# Allegro board buddy_lay_rev1.brd (continued)
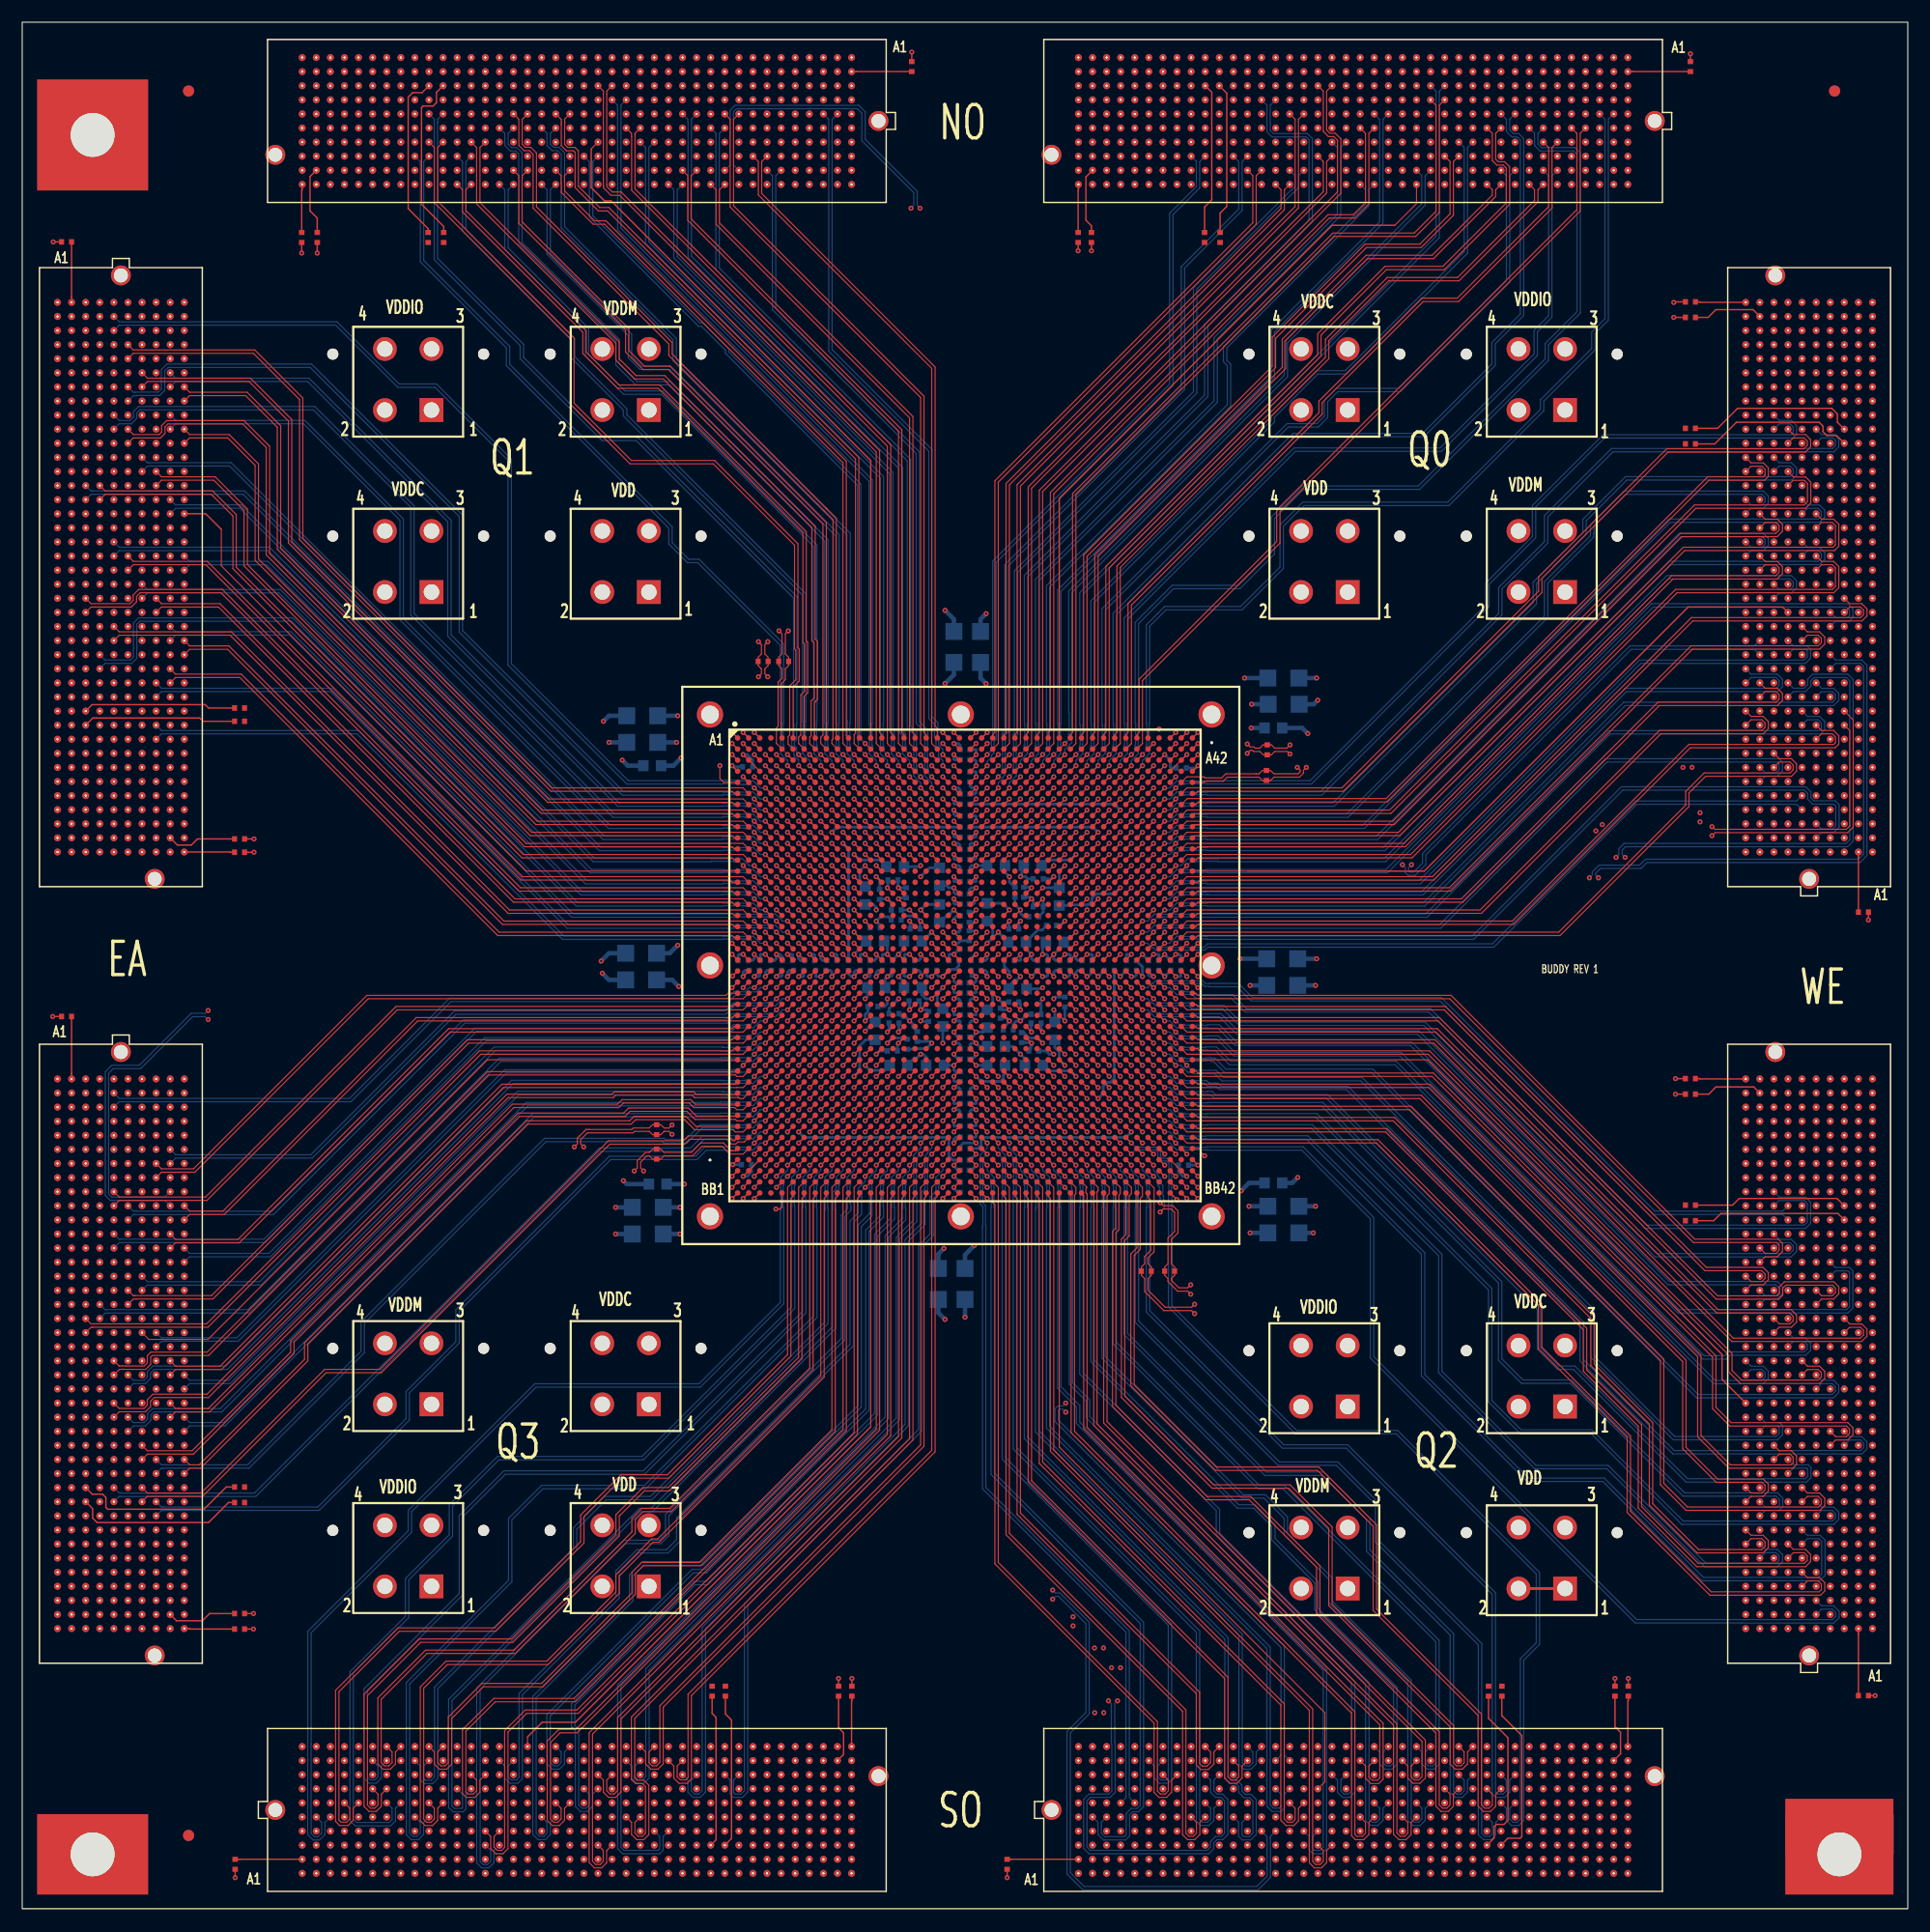
[diagram p0: board, top side]
## Routing (per net, layer and track width the routed paths; a pad name or vN(x,y) marks a point on that pad's centre or on a via; arc(x,y) is an arc through that point) (continued)
; J7.E40 7.79,25.24 ; J7.E40 8.74,25.24 ; 41.75,3.98 J6.B14 ; J6.B14 41.28,4.46 ; J6.B14 41.75,4.93 ; J6.B14 42.23,4.46 ; J4.B11 165.54,38.42 ; J4.B11 165.07,37.94 ; J4.B11 165.54,37.47 ; J4.B11 166.02,37.94 ; J2.K12 130.79,155.86 ; J2.K12 130.31,155.38 ; J2.K12 131.26,155.38 ; J2.K12 130.79,154.91 ; 157.93,69.22 J4.H36 ; J4.H36 157.93,70.17 ; J4.H36 158.4,69.69 ; J4.H36 157.45,69.69 ; J8.H21 12.55,119.36 ; J8.H21 12.07,118.88 ; J8.H21 12.07,119.83 ; J8.H21 11.6,119.36 ; 159.99,73.5 J4.F39 ; J4.F39 160.94,73.5 ; J4.F39 160.47,73.03 ; J4.F39 160.47,73.98 ; J1.C1 75.25,164.28 ; J1.C1 74.77,163.8 ; J1.C1 74.77,164.75 ; J1.C1 74.3,164.28 ; 166.81,24.77 J4.A1 ; J4.A1 166.34,25.24 ; J4.A1 166.81,25.72 ; J4.A1 167.29,25.24 ; J4.D6 163.48,31.59 ; J4.D6 162.53,31.59 ; J4.D6 163,31.12 ; J4.D6 163,32.07 ; 110.47,6.52 J5.D13 ; J5.D13 110.94,7 ; J5.D13 109.99,7 ; J5.D13 110.47,7.47 ; 7.79,35.4 J7.E32 ; J7.E32 8.27,35.88 ; J7.E32 8.27,34.93 ; J7.E32 8.74,35.4 ; J4.A5 167.29,30.32 ; J4.A5 166.34,30.32 ; J4.A5 166.81,29.85 ; J4.A5 166.81,30.8 ; 46.83,161.74 46.83,162.21 ; 46.83,161.74 46.36,161.74 ; 46.83,161.74 47.31,161.74 ; 46.83,161.74 46.83,161.26 ; J3.D7 163,103.32 ; J3.D7 163,102.37 ; J3.D7 163.48,102.85 ; J3.D7 162.53,102.85 ; J8.J17 13.82,124.44 ; J8.J17 13.35,123.96 ; J8.J17 13.35,124.91 ; J8.J17 12.87,124.44 ; 4.46,42.55 J7.B26 ; J7.B26 4.93,43.02 ; J7.B26 3.98,43.02 ; J7.B26 4.46,43.5 ; 163,26.04 J4.D2 ; J4.D2 163,26.99 ; J4.D2 162.53,26.51 ; J4.D2 163.48,26.51 ; J4.A37 167.29,70.96 ; J4.A37 166.34,70.96 ; J4.A37 166.81,71.44 ; J4.A37 166.81,70.49 ; 2.71,30.32 J7.A36 ; J7.A36 3.19,30.8 ; J7.A36 3.19,29.85 ; J7.A36 3.66,30.32 ; J1.J14 58.74,156.66 ; J1.J14 58.26,157.13 ; J1.J14 57.79,156.66 ; J1.J14 58.26,156.18 ; 108.72,12.07 J5.H12 ; J5.H12 109.2,12.55 ; J5.H12 109.2,11.6 ; J5.H12 109.67,12.07 ; 3.19,139.2 3.19,139.68 ; 3.19,139.68 3.19,140.15 ; 3.19,139.68 3.66,139.68 ; 3.19,139.68 2.71,139.68 ; J4.K3 155.86,27.78 ; J4.K3 155.38,28.26 ; J4.K3 154.91,27.78 ; J4.K3 155.38,27.31 ; J8.B15 4.93,126.98 ; J8.B15 3.98,126.98 ; J8.B15 4.46,127.45 ; J8.B15 4.46,126.5 ; 12.87,50.64 J7.J20 ; J7.J20 13.82,50.64 ; J7.J20 13.35,50.17 ; J7.J20 13.35,51.12 ; J7.B2 4.93,73.5 ; J7.B2 4.46,73.03 ; J7.B2 4.46,73.98 ; J7.B2 3.98,73.5 ; J1.A21 49.37,167.29 ; J1.A21 48.9,166.81 ; J1.A21 49.85,166.81 ; J1.A21 49.37,166.34 ; 29.85,164.28 J1.C36 ; J1.C36 30.32,164.75 ; J1.C36 30.8,164.28 ; J1.C36 30.32,163.8 ; J4.G23 159.19,53.66 ; J4.G23 159.19,52.71 ; J4.G23 159.67,53.18 ; J4.G23 158.72,53.18 ; 26.51,157.45 J1.H39 ; J1.H39 26.04,157.93 ; J1.H39 26.51,158.4 ; J1.H39 26.99,157.93 ; J1.K36 30.32,155.86 ; J1.K36 30.8,155.38 ; J1.K36 30.32,154.91 ; J1.K36 29.85,155.38 ; 56.52,4.46 J6.B26 ; J6.B26 57.47,4.46 ; J6.B26 56.99,3.98 ; J6.B26 56.99,4.93 ; J2.C1 144.76,164.75 ; J2.C1 144.76,163.8 ; J2.C1 145.23,164.28 ; J2.C1 144.28,164.28 ; 158.72,99.04 J3.G4 ; J3.G4 159.19,99.51 ; J3.G4 159.67,99.04 ; J3.G4 159.19,98.56 ; 166.34,39.21 J4.A12 ; J4.A12 166.81,39.69 ; J4.A12 167.29,39.21 ; J4.A12 166.81,38.74 ; 14.14,111.74 J8.K27 ; J8.K27 14.62,112.21 ; J8.K27 15.09,111.74 ; J8.K27 14.62,111.26 ; 123.17,12.87 J5.J23 ; J5.J23 123.64,13.35 ; J5.J23 122.69,13.35 ; J5.J23 123.17,13.82 ; J7.J40 13.35,25.72 ; J7.J40 13.35,24.77 ; J7.J40 12.87,25.24 ; J7.J40 13.82,25.24 ; J1.F33 34.13,160.94 ; J1.F33 34.61,160.47 ; J1.F33 34.13,159.99 ; J1.F33 33.66,160.47 ; 166.81,118.88 J3.A20 ; J3.A20 166.34,119.36 ; J3.A20 166.81,119.83 ; J3.A20 167.29,119.36 ; 161.74,141.74 161.74,142.22 ; 161.74,142.22 161.26,142.22 ; 161.74,142.22 162.21,142.22 ; 161.74,142.22 161.74,142.69 ; 9.06,53.18 J7.F18 ; J7.F18 9.54,52.71 ; J7.F18 10.01,53.18 ; J7.F18 9.54,53.66 ; 12.07,52.71 J7.H18 ; J7.H18 12.07,53.66 ; J7.H18 12.55,53.18 ; J7.H18 11.6,53.18 ; 143.01,7 143.49,7 ; 143.49,7 143.96,7 ; 143.49,7 143.49,7.47 ; 143.49,7 143.49,6.52 ; 159.99,116.82 J3.F18 ; J3.F18 160.47,117.29 ; J3.F18 160.47,116.34 ; J3.F18 160.94,116.82 ; J7.B19 4.93,51.91 ; J7.B19 4.46,51.44 ; J7.B19 3.98,51.91 ; J7.B19 4.46,52.39 ; 161.26,111.74 161.74,111.74 ; 161.74,111.74 162.21,111.74 ; 161.74,111.74 161.74,112.21 ; 161.74,111.74 161.74,111.26 ; 100.31,159.99 J2.F36 ; J2.F36 100.31,160.94 ; J2.F36 100.78,160.47 ; J2.F36 99.83,160.47 ; 53.98,12.07 J6.H24 ; J6.H24 54.45,11.6 ; J6.H24 54.45,12.55 ; J6.H24 54.93,12.07 ; 119.36,3.19 119.36,3.66 ; 119.36,3.19 119.36,2.71 ; 119.36,3.19 119.83,3.19 ; 119.36,3.19 118.88,3.19 ; 134.6,157.45 J2.H9 ; J2.H9 134.12,157.93 ; J2.H9 134.6,158.4 ; J2.H9 135.07,157.93 ; 35.66,45.45 J17.1 ; J17.1 38.14,45.45 ; J17.1 36.9,46.69 ; J17.1 36.9,44.21 ; 123.96,166.81 J2.A17 ; J2.A17 124.91,166.81 ; J2.A17 124.44,166.34 ; J2.A17 124.44,167.29 ; 135.39,161.74 135.87,161.74 ; 135.87,161.74 135.87,161.26 ; 135.87,161.74 136.34,161.74 ; 135.87,161.74 135.87,162.21 ; J1.C24 45.56,164.75 ; J1.C24 45.56,163.8 ; J1.C24 46.04,164.28 ; J1.C24 45.09,164.28 ; 5.72,129.52 5.72,129.99 ; 5.72,129.52 5.72,129.04 ; 5.72,129.52 6.2,129.52 ; 5.72,129.52 5.25,129.52 ; 41.28,8.27 41.75,8.27 ; 41.75,8.27 41.75,7.79 ; 41.75,8.27 41.75,8.74 ; 41.75,8.27 42.23,8.27 ; J3.A12 166.81,109.67 ; J3.A12 166.34,109.2 ; J3.A12 166.81,108.72 ; J3.A12 167.29,109.2 ; 46.83,9.06 J6.F18 ; J6.F18 46.83,10.01 ; J6.F18 47.31,9.54 ; J6.F18 46.36,9.54 ; 100.31,8.27 100.31,8.74 ; 100.31,8.27 100.78,8.27 ; 100.31,8.27 99.83,8.27 ; 100.31,8.27 100.31,7.79 ; 14.62,126.5 J8.K15 ; J8.K15 15.09,126.98 ; J8.K15 14.62,127.45 ; J8.K15 14.14,126.98 ; J7.C38 6.2,27.78 ; J7.C38 5.72,27.31 ; J7.C38 5.72,28.26 ; J7.C38 5.25,27.78 ; J6.H36 70.17,12.07 ; J6.H36 69.69,11.6 ; J6.H36 69.22,12.07 ; J6.H36 69.69,12.55 ; 159.99,132.06 J3.F30 ; J3.F30 160.94,132.06 ; J3.F30 160.47,132.53 ; J3.F30 160.47,131.58 ; J3.B15 165.54,113.48 ; J3.B15 165.54,112.53 ; J3.B15 165.07,113.01 ; J3.B15 166.02,113.01 ; J7.F30 10.01,37.94 ; J7.F30 9.06,37.94 ; J7.F30 9.54,37.47 ; J7.F30 9.54,38.42 ; J3.G8 159.67,104.12 ; J3.G8 158.72,104.12 ; J3.G8 159.19,103.64 ; J3.G8 159.19,104.59 ; 12.87,95.23 J8.J40 ; J8.J40 13.35,94.75 ; J8.J40 13.35,95.7 ; J8.J40 13.82,95.23 ; J8.J29 13.82,109.2 ; J8.J29 13.35,108.72 ; J8.J29 12.87,109.2 ; J8.J29 13.35,109.67 ; 134.12,8.27 J5.E32 ; J5.E32 134.6,7.79 ; J5.E32 135.07,8.27 ; J5.E32 134.6,8.74 ; 60.8,10.33 J6.G29 ; J6.G29 61.28,10.8 ; J6.G29 60.8,11.28 ; J6.G29 60.33,10.8 ; J7.G23 11.28,46.83 ; J7.G23 10.8,47.31 ; J7.G23 10.33,46.83 ; J7.G23 10.8,46.36 ; 130.79,157.45 J2.H12 ; J2.H12 131.26,157.93 ; J2.H12 130.31,157.93 ; J2.H12 130.79,158.4 ; 10.8,57.79 J7.G14 ; J7.G14 10.33,58.26 ; J7.G14 10.8,58.74 ; J7.G14 11.28,58.26 ; 14.14,49.37 J7.K21 ; J7.K21 14.62,49.85 ; J7.K21 15.09,49.37 ; J7.K21 14.62,48.9 ; 13.35,61.6 J7.J11 ; J7.J11 13.82,62.07 ; J7.J11 12.87,62.07 ; J7.J11 13.35,62.55 ; 96.02,160.47 J2.F39 ; J2.F39 96.5,160.94 ; J2.F39 96.97,160.47 ; J2.F39 96.5,159.99 ; 59.53,7 60.01,7 ; 59.53,7 59.53,7.47 ; 59.53,7 59.06,7 ; 59.53,7 59.53,6.52 ; J8.C40 6.2,95.23 ; J8.C40 5.72,95.7 ; J8.C40 5.25,95.23 ; J8.C40 5.72,94.75 ; J8.B27 4.93,111.74 ; J8.B27 4.46,111.26 ; J8.B27 4.46,112.21 ; J8.B27 3.98,111.74 ; J3.K9 155.38,105.86 ; J3.K9 154.91,105.39 ; J3.K9 155.86,105.39 ; J3.K9 155.38,104.91 ; J3.A36 167.29,139.68 ; J3.A36 166.81,139.2 ; J3.A36 166.34,139.68 ; J3.A36 166.81,140.15 ; 34.13,5.72 34.13,6.2 ; 34.13,5.72 34.13,5.25 ; 34.13,5.72 34.61,5.72 ; 34.13,5.72 33.66,5.72 ; J6.B15 43.5,4.46 ; J6.B15 42.55,4.46 ; J6.B15 43.02,4.93 ; J6.B15 43.02,3.98 ; 156.18,53.18 J4.J23 ; J4.J23 156.66,52.71 ; J4.J23 156.66,53.66 ; J4.J23 157.13,53.18 ; J8.B2 4.93,143.49 ; J8.B2 4.46,143.01 ; J8.B2 3.98,143.49 ; J8.B2 4.46,143.96 ; 112.53,12.07 J5.H15 ; J5.H15 113.01,12.55 ; J5.H15 113.48,12.07 ; J5.H15 113.01,11.6 ; J6.C38 72.23,6.2 ; J6.C38 72.71,5.72 ; J6.C38 71.76,5.72 ; J6.C38 72.23,5.25 ; 12.87,39.21 J7.J29 ; J7.J29 13.35,39.69 ; J7.J29 13.82,39.21 ; J7.J29 13.35,38.74 ; 165.54,32.39 J4.B7 ; J4.B7 165.07,32.86 ; J4.B7 165.54,33.34 ; J4.B7 166.02,32.86 ; 3.98,53.18 J7.B18 ; J7.B18 4.46,53.66 ; J7.B18 4.93,53.18 ; J7.B18 4.46,52.71 ; J8.J23 13.35,117.29 ; J8.J23 13.35,116.34 ; J8.J23 12.87,116.82 ; J8.J23 13.82,116.82 ; 106.66,6.52 J5.D10 ; J5.D10 106.18,7 ; J5.D10 106.66,7.47 ; J5.D10 107.13,7 ; 3.98,72.23 J7.B3 ; J7.B3 4.93,72.23 ; J7.B3 4.46,72.71 ; J7.B3 4.46,71.76 ; 31.46,45.45 J17.2 ; J17.2 32.7,46.69 ; J17.2 33.94,45.45 ; J17.2 32.7,44.21 ; 61.6,9.54 62.07,9.54 ; 62.07,9.54 62.55,9.54 ; 62.07,9.54 62.07,10.01 ; 62.07,9.54 62.07,9.06 ; 13.35,135.87 13.82,135.87 ; 13.35,135.87 13.35,136.34 ; 13.35,135.87 12.87,135.87 ; 13.35,135.87 13.35,135.39 ; 159.99,97.77 J3.F3 ; J3.F3 160.47,98.24 ; J3.F3 160.47,97.29 ; J3.F3 160.94,97.77 ; J4.F33 160.94,65.88 ; J4.F33 159.99,65.88 ; J4.F33 160.47,65.41 ; J4.F33 160.47,66.36 ; 160.47,31.12 J4.F6 ; J4.F6 160.94,31.59 ; J4.F6 160.47,32.07 ; J4.F6 159.99,31.59 ; 124.44,9.06 J5.F24 ; J5.F24 124.44,10.01 ; J5.F24 124.91,9.54 ; J5.F24 123.96,9.54 ; 94.75,8.27 95.23,8.27 ; 95.23,8.27 95.23,7.79 ; 95.23,8.27 95.7,8.27 ; 95.23,8.27 95.23,8.74 ; 131.58,165.54 J2.B11 ; J2.B11 132.06,166.02 ; J2.B11 132.53,165.54 ; J2.B11 132.06,165.07 ; J2.H33 104.12,158.4 ; J2.H33 103.64,157.93 ; J2.H33 104.12,157.45 ; J2.H33 104.59,157.93 ; 9.06,143.49 J8.F2 ; J8.F2 9.54,143.96 ; J8.F2 9.54,143.01 ; J8.F2 10.01,143.49 ; 158.72,56.99 J4.G26 ; J4.G26 159.19,57.47 ; J4.G26 159.67,56.99 ; J4.G26 159.19,56.52 ; 8.27,31.12 J7.E35 ; J7.E35 7.79,31.59 ; J7.E35 8.27,32.07 ; J7.E35 8.74,31.59 ; 38.74,9.54 J6.F12 ; J6.F12 39.21,10.01 ; J6.F12 39.21,9.06 ; J6.F12 39.69,9.54 ; J7.K9 15.09,64.61 ; J7.K9 14.62,65.09 ; J7.K9 14.62,64.14 ; J7.K9 14.14,64.61 ; 36.67,3.98 J6.B10 ; J6.B10 36.2,4.46 ; J6.B10 37.15,4.46 ; J6.B10 36.67,4.93 ; J8.F15 9.54,127.45 ; J8.F15 10.01,126.98 ; J8.F15 9.54,126.5 ; J8.F15 9.06,126.98 ; 34.13,157.45 J1.H33 ; J1.H33 34.61,157.93 ; J1.H33 33.66,157.93 ; J1.H33 34.13,158.4 ; J7.H9 12.07,65.09 ; J7.H9 11.6,64.61 ; J7.H9 12.55,64.61 ; J7.H9 12.07,64.14 ; J4.J29 157.13,60.8 ; J4.J29 156.66,61.28 ; J4.J29 156.18,60.8 ; J4.J29 156.66,60.33 ; 102.37,4.46 J5.B7 ; J5.B7 103.32,4.46 ; J5.B7 102.85,3.98 ; J5.B7 102.85,4.93 ; 130.79,5.25 J5.C29 ; J5.C29 131.26,5.72 ; J5.C29 130.31,5.72 ; J5.C29 130.79,6.2 ; J7.K6 15.09,68.42 ; J7.K6 14.14,68.42 ; J7.K6 14.62,67.95 ; J7.K6 14.62,68.9 ; 3.98,31.59 4.46,31.59 ; 4.46,31.59 4.46,31.12 ; 4.46,31.59 4.46,32.07 ; 4.46,31.59 4.93,31.59 ; J5.B22 121.9,4.93 ; J5.B22 122.37,4.46 ; J5.B22 121.9,3.98 ; J5.B22 121.42,4.46 ; 45.56,5.25 45.56,5.72 ; 45.56,5.72 45.09,5.72 ; 45.56,5.72 45.56,6.2 ; 45.56,5.72 46.04,5.72 ; 12.07,45.09 J7.H24 ; J7.H24 12.55,45.56 ; J7.H24 11.6,45.56 ; J7.H24 12.07,46.04 ; 68.42,3.98 68.42,4.46 ; 68.42,4.46 68.9,4.46 ; 68.42,4.46 67.95,4.46 ; 68.42,4.46 68.42,4.93 ; J4.C12 164.28,39.69 ; J4.C12 164.75,39.21 ; J4.C12 163.8,39.21 ; J4.C12 164.28,38.74 ; 7,40.01 J7.D28 ; J7.D28 7.47,40.48 ; J7.D28 7,40.96 ; J7.D28 6.52,40.48 ; 161.26,130.79 161.74,130.79 ; 161.74,130.79 161.74,130.31 ; 161.74,130.79 162.21,130.79 ; 161.74,130.79 161.74,131.26 ; J2.C20 120.63,164.75 ; J2.C20 120.63,163.8 ; J2.C20 120.15,164.28 ; J2.C20 121.1,164.28 ; J7.B14 4.46,58.74 ; J7.B14 3.98,58.26 ; J7.B14 4.93,58.26 ; J7.B14 4.46,57.79 ; 115.55,2.71 115.55,3.19 ; 115.55,3.19 115.07,3.19 ; 115.55,3.19 116.02,3.19 ; 115.55,3.19 115.55,3.66 ; J4.H24 158.4,54.45 ; J4.H24 157.93,54.93 ; J4.H24 157.45,54.45 ; J4.H24 157.93,53.98 ; 163.8,50.64 J4.C21 ; J4.C21 164.28,50.17 ; J4.C21 164.75,50.64 ; J4.C21 164.28,51.12 ; 74.3,13.35 J6.J40 ; J6.J40 74.77,12.87 ; J6.J40 75.25,13.35 ; J6.J40 74.77,13.82 ; J2.F33 104.59,160.47 ; J2.F33 103.64,160.47 ; J2.F33 104.12,160.94 ; J2.F33 104.12,159.99 ; 113.8,166.81 J2.A25 ; J2.A25 114.75,166.81 ; J2.A25 114.28,167.29 ; J2.A25 114.28,166.34 ; 60.8,154.91 J1.K12 ; J1.K12 60.33,155.38 ; J1.K12 61.28,155.38 ; J1.K12 60.8,155.86 ; J7.K30 15.09,37.94 ; J7.K30 14.62,37.47 ; J7.K30 14.14,37.94 ; J7.K30 14.62,38.42 ; 161.74,104.12 162.21,104.12 ; 161.74,104.12 161.74,104.59 ; 161.74,104.12 161.74,103.64 ; 161.74,104.12 161.26,104.12 ; 27.78,156.18 J1.J38 ; J1.J38 27.31,156.66 ; J1.J38 28.26,156.66 ; J1.J38 27.78,157.13 ; 100.31,5.72 100.31,6.2 ; 100.31,5.72 100.31,5.25 ; 100.31,5.72 99.83,5.72 ; 100.31,5.72 100.78,5.72 ; 105.39,3.19 105.39,3.66 ; 105.39,3.19 105.86,3.19 ; 105.39,3.19 104.91,3.19 ; 105.39,3.19 105.39,2.71 ; 25.24,161.74 25.24,162.21 ; 25.24,161.74 25.24,161.26 ; 25.24,161.74 25.72,161.74 ; 25.24,161.74 24.77,161.74 ; 38.74,12.07 J6.H12 ; J6.H12 39.21,12.55 ; J6.H12 39.21,11.6 ; J6.H12 39.69,12.07 ; 9.06,142.22 J8.F3 ; J8.F3 10.01,142.22 ; J8.F3 9.54,142.69 ; J8.F3 9.54,141.74 ; 159.19,144.28 J3.G40 ; J3.G40 159.19,145.23 ; J3.G40 159.67,144.76 ; J3.G40 158.72,144.76 ; J8.E11 8.27,132.53 ; J8.E11 8.27,131.58 ; J8.E11 8.74,132.06 ; J8.E11 7.79,132.06 ; J1.K30 37.94,155.86 ; J1.K30 37.94,154.91 ; J1.K30 38.42,155.38 ; J1.K30 37.47,155.38 ; 9.54,96.5 10.01,96.5 ; 9.54,96.5 9.54,96.97 ; 9.54,96.5 9.54,96.02 ; 9.54,96.5 9.06,96.5 ; J5.J17 116.02,13.35 ; J5.J17 115.07,13.35 ; J5.J17 115.55,13.82 ; J5.J17 115.55,12.87 ; 161.74,52.71 161.74,53.18 ; 161.74,53.18 162.21,53.18 ; 161.74,53.18 161.74,53.66 ; 161.74,53.18 161.26,53.18 ; J7.H39 12.07,26.99 ; J7.H39 12.55,26.51 ; J7.H39 11.6,26.51 ; J7.H39 12.07,26.04 ; J6.H3 27.78,12.55 ; J6.H3 27.78,11.6 ; J6.H3 28.26,12.07 ; J6.H3 27.31,12.07 ; J5.C40 145.23,5.72 ; J5.C40 144.28,5.72 ; J5.C40 144.76,6.2 ; J5.C40 144.76,5.25 ; 12.07,137.93 J8.H6 ; J8.H6 12.55,138.41 ; J8.H6 11.6,138.41 ; J8.H6 12.07,138.88 ; J8.D25 7,114.75 ; J8.D25 6.52,114.28 ; J8.D25 7,113.8 ; J8.D25 7.47,114.28 ; J2.A20 120.63,167.29 ; J2.A20 120.15,166.81 ; J2.A20 121.1,166.81 ; J2.A20 120.63,166.34 ; 41.75,154.91 J1.K27 ; J1.K27 41.75,155.86 ; J1.K27 41.28,155.38 ; J1.K27 42.23,155.38 ; J3.C36 164.28,140.15 ; J3.C36 164.28,139.2 ; J3.C36 164.75,139.68 ; J3.C36 163.8,139.68 ; 39.21,14.14 J6.K12 ; J6.K12 38.74,14.62 ; J6.K12 39.21,15.09 ; J6.K12 39.69,14.62 ; 45.09,13.35 J6.J17 ; J6.J17 46.04,13.35 ; J6.J17 45.56,12.87 ; J6.J17 45.56,13.82 ; 53.98,9.54 J6.F24 ; J6.F24 54.93,9.54 ; J6.F24 54.45,9.06 ; J6.F24 54.45,10.01 ; 163,117.61 J3.D19 ; J3.D19 163,118.56 ; J3.D19 162.53,118.09 ; J3.D19 163.48,118.09 ; 55.25,5.72 55.72,5.72 ; 55.72,5.72 55.72,6.2 ; 55.72,5.72 55.72,5.25 ; 55.72,5.72 56.2,5.72 ; 64.14,164.28 J1.C9 ; J1.C9 64.61,163.8 ; J1.C9 64.61,164.75 ; J1.C9 65.09,164.28 ; J6.F9 35.88,9.54 ; J6.F9 34.93,9.54 ; J6.F9 35.4,9.06 ; J6.F9 35.4,10.01 ; 116.82,3.98 J5.B18 ; J5.B18 116.34,4.46 ; J5.B18 117.29,4.46 ; J5.B18 116.82,4.93 ; 5.72,135.39 5.72,135.87 ; 5.72,135.87 5.25,135.87 ; 5.72,135.87 6.2,135.87 ; 5.72,135.87 5.72,136.34 ; 9.54,107.45 J8.F30 ; J8.F30 9.06,107.93 ; J8.F30 10.01,107.93 ; J8.F30 9.54,108.4 ; 5.25,30.32 J7.C36 ; J7.C36 5.72,29.85 ; J7.C36 5.72,30.8 ; J7.C36 6.2,30.32 ; J1.A8 65.88,167.29 ; J1.A8 65.41,166.81 ; J1.A8 66.36,166.81 ; J1.A8 65.88,166.34 ; J2.G26 113.01,159.67 ; J2.G26 112.53,159.19 ; J2.G26 113.48,159.19 ; J2.G26 113.01,158.72 ; 12.07,67.95 J7.H6 ; J7.H6 12.55,68.42 ; J7.H6 11.6,68.42 ; J7.H6 12.07,68.9 ; 8.27,120.15 J8.E20 ; J8.E20 8.74,120.63 ; J8.E20 7.79,120.63 ; J8.E20 8.27,121.1 ; 74.77,5.25 J6.C40 ; J6.C40 75.25,5.72 ; J6.C40 74.3,5.72 ; J6.C40 74.77,6.2 ; 143.49,11.6 143.49,12.07 ; 143.49,12.07 143.01,12.07 ; 143.49,12.07 143.49,12.55 ; 143.49,12.07 143.96,12.07 ; J4.A13 167.29,40.48 ; J4.A13 166.81,40.96 ; J4.A13 166.34,40.48 ; J4.A13 166.81,40.01 ; 56.99,159.99 J1.F15 ; J1.F15 57.47,160.47 ; J1.F15 56.99,160.94 ; J1.F15 56.52,160.47 ; 9.06,34.13 9.54,34.13 ; 9.54,34.13 10.01,34.13 ; 9.54,34.13 9.54,34.61 ; 9.54,34.13 9.54,33.66 ; J4.B31 166.02,63.34 ; J4.B31 165.07,63.34 ; J4.B31 165.54,62.87 ; J4.B31 165.54,63.82 ; 132.06,161.74 132.53,161.74 ; 132.06,161.74 132.06,161.26 ; 132.06,161.74 131.58,161.74 ; 132.06,161.74 132.06,162.21 ; 165.54,102.37 J3.B7 ; J3.B7 165.07,102.85 ; J3.B7 165.54,103.32 ; J3.B7 166.02,102.85 ; J2.F30 108.4,160.47 ; J2.F30 107.93,160.94 ; J2.F30 107.93,159.99 ; J2.F30 107.45,160.47 ; 142.22,165.07 J2.B3 ; J2.B3 142.69,165.54 ; J2.B3 142.22,166.02 ; J2.B3 141.74,165.54 ; J4.B3 165.54,28.26 ; J4.B3 165.54,27.31 ; J4.B3 165.07,27.78 ; J4.B3 166.02,27.78 ; 38.74,159.19 J1.G29 ; J1.G29 39.21,159.67 ; J1.G29 39.21,158.72 ; J1.G29 39.69,159.19 ; J4.J32 157.13,64.61 ; J4.J32 156.66,65.09 ; J4.J32 156.66,64.14 ; J4.J32 156.18,64.61 ; 14.62,130.31 J8.K12 ; J8.K12 14.14,130.79 ; J8.K12 14.62,131.26 ; J8.K12 15.09,130.79 ; 3.19,64.61 3.66,64.61 ; 3.19,64.61 3.19,65.09 ; 3.19,64.61 3.19,64.14 ; 3.19,64.61 2.71,64.61 ; J3.J23 157.13,123.17 ; J3.J23 156.66,123.64 ; J3.J23 156.18,123.17 ; J3.J23 156.66,122.69 ; 10.8,140.95 11.28,140.95 ; 10.8,140.95 10.8,140.47 ; 10.8,140.95 10.8,141.42 ; 10.8,140.95 10.33,140.95 ; 144.76,161.26 144.76,161.74 ; 144.76,161.74 144.76,162.21 ; 144.76,161.74 144.28,161.74 ; 144.76,161.74 145.23,161.74 ; J5.D7 102.85,7.47 ; J5.D7 102.37,7 ; J5.D7 102.85,6.52 ; J5.D7 103.32,7 ; 9.06,73.5 J7.F2 ; J7.F2 9.54,73.98 ; J7.F2 9.54,73.03 ; J7.F2 10.01,73.5 ; 13.35,120.15 J8.J20 ; J8.J20 13.82,120.63 ; J8.J20 12.87,120.63 ; J8.J20 13.35,121.1 ; 54.45,5.72 54.45,6.2 ; 54.45,5.72 53.98,5.72 ; 54.45,5.72 54.93,5.72 ; 54.45,5.72 54.45,5.25 ; 7.79,39.21 J7.E29 ; J7.E29 8.27,38.74 ; J7.E29 8.27,39.69 ; J7.E29 8.74,39.21 ; 158.72,25.24 J4.G1 ; J4.G1 159.19,24.77 ; J4.G1 159.67,25.24 ; J4.G1 159.19,25.72 ; 123.17,7.79 J5.E23 ; J5.E23 122.69,8.27 ; J5.E23 123.64,8.27 ; J5.E23 123.17,8.74 ; 7.79,65.88 8.27,65.88 ; 8.27,65.88 8.27,66.36 ; 8.27,65.88 8.74,65.88 ; 8.27,65.88 8.27,65.41 ; J2.C28 110.94,164.28 ; J2.C28 110.47,163.8 ; J2.C28 109.99,164.28 ; J2.C28 110.47,164.75 ; 162.53,114.28 J3.D16 ; J3.D16 163,113.8 ; J3.D16 163,114.75 ; J3.D16 163.48,114.28 ; 110.47,2.71 110.47,3.19 ; 110.47,3.19 110.94,3.19 ; 110.47,3.19 110.47,3.66 ; 110.47,3.19 109.99,3.19 ; J2.G5 140.15,159.19 ; J2.G5 139.68,159.67 ; J2.G5 139.68,158.72 ; J2.G5 139.2,159.19 ; 13.35,70.96 13.35,71.44 ; 13.35,70.96 13.82,70.96 ; 13.35,70.96 13.35,70.49 ; 13.35,70.96 12.87,70.96 ; 10.8,139.68 10.8,140.15 ; 10.8,139.68 10.8,139.2 ; 10.8,139.68 11.28,139.68 ; 10.8,139.68 10.33,139.68 ; 9.06,26.51 9.54,26.51 ; 9.54,26.51 10.01,26.51 ; 9.54,26.51 9.54,26.04 ; 9.54,26.51 9.54,26.99 ; J1.B18 53.66,165.54 ; J1.B18 53.18,165.07 ; J1.B18 53.18,166.02 ; J1.B18 52.71,165.54 ; 165.54,47.63 J4.B19 ; J4.B19 166.02,48.1 ; J4.B19 165.07,48.1 ; J4.B19 165.54,48.58 ; 159.99,35.4 J4.F9 ; J4.F9 160.47,34.93 ; J4.F9 160.47,35.88 ; J4.F9 160.94,35.4 ; 4.46,127.77 J8.B14 ; J8.B14 4.46,128.72 ; J8.B14 4.93,128.25 ; J8.B14 3.98,128.25 ; J8.H39 12.55,96.5 ; J8.H39 12.07,96.02 ; J8.H39 11.6,96.5 ; J8.H39 12.07,96.97 ; 68.42,154.91 J1.K6 ; J1.K6 68.42,155.86 ; J1.K6 67.95,155.38 ; J1.K6 68.9,155.38 ; 137.86,28.85 J24.1 ; J24.1 140.34,28.85 ; J24.1 139.1,27.61 ; J24.1 139.1,30.09 ; 5.25,104.12 J8.C33 ; J8.C33 5.72,104.59 ; J8.C33 5.72,103.64 ; J8.C33 6.2,104.12 ; 166.34,99.04 J3.A4 ; J3.A4 167.29,99.04 ; J3.A4 166.81,98.56 ; J3.A4 166.81,99.51 ; J1.F9 64.61,160.94 ; J1.F9 64.14,160.47 ; J1.F9 64.61,159.99 ; J1.F9 65.09,160.47 ; 114.06,45.25 J21.2 ; J21.2 115.3,46.49 ; J21.2 115.3,44.01 ; J21.2 116.54,45.25 ; J6.F6 32.07,9.54 ; J6.F6 31.59,9.06 ; J6.F6 31.59,10.01 ; J6.F6 31.12,9.54 ; J8.H18 12.55,123.17 ; J8.H18 12.07,122.69 ; J8.H18 12.07,123.64 ; J8.H18 11.6,123.17 ; J4.B35 165.54,68.9 ; J4.B35 165.54,67.95 ; J4.B35 165.07,68.42 ; J4.B35 166.02,68.42 ; 7,96.5 7.47,96.5 ; 7,96.5 7,96.02 ; 7,96.5 7,96.97 ; 7,96.5 6.52,96.5 ; J2.J26 113.01,157.13 ; J2.J26 112.53,156.66 ; J2.J26 113.01,156.18 ; J2.J26 113.48,156.66 ; 126.98,157.45 J2.H15 ; J2.H15 127.45,157.93 ; J2.H15 126.5,157.93 ; J2.H15 126.98,158.4 ; 11.6,126.98 J8.H15 ; J8.H15 12.55,126.98 ; J8.H15 12.07,126.5 ; J8.H15 12.07,127.45 ; J8.H36 12.55,100.31 ; J8.H36 12.07,99.83 ; J8.H36 12.07,100.78 ; J8.H36 11.6,100.31 ; J11.1 38.14,118.65 ; J11.1 36.9,117.41 ; J11.1 36.9,119.89 ; J11.1 35.66,118.65 ; 160.47,38.74 J4.F12 ; J4.F12 160.94,39.21 ; J4.F12 160.47,39.69 ; J4.F12 159.99,39.21 ; 6.52,29.05 7,29.05 ; 7,29.05 7,28.58 ; 7,29.05 7.47,29.05 ; 7,29.05 7,29.53 ; J8.H12 12.55,130.79 ; J8.H12 11.6,130.79 ; J8.H12 12.07,131.26 ; J8.H12 12.07,130.31 ; J4.A16 167.29,44.29 ; J4.A16 166.81,44.77 